# Altium PCB TEBF0808ASCII.PcbDoc (part 10 of 10)
Units mm, origin at the board's own origin, x right, y up, seen from the top; angles counter-clockwise.
Board outline 170 x 170 mm, 16 copper layers (L 01, L 02 G, L 03 S, L 04 G, L 05 S, L 06 G, L 07 P, L 08 P, L 09 P, L 10 P, L 11 G, L 12 S, L 13 G, L 14 S, L 15 G, L 16), stack 1.774 mm thick; 609 components, 869 nets, 3941 pads, 2358 vias.
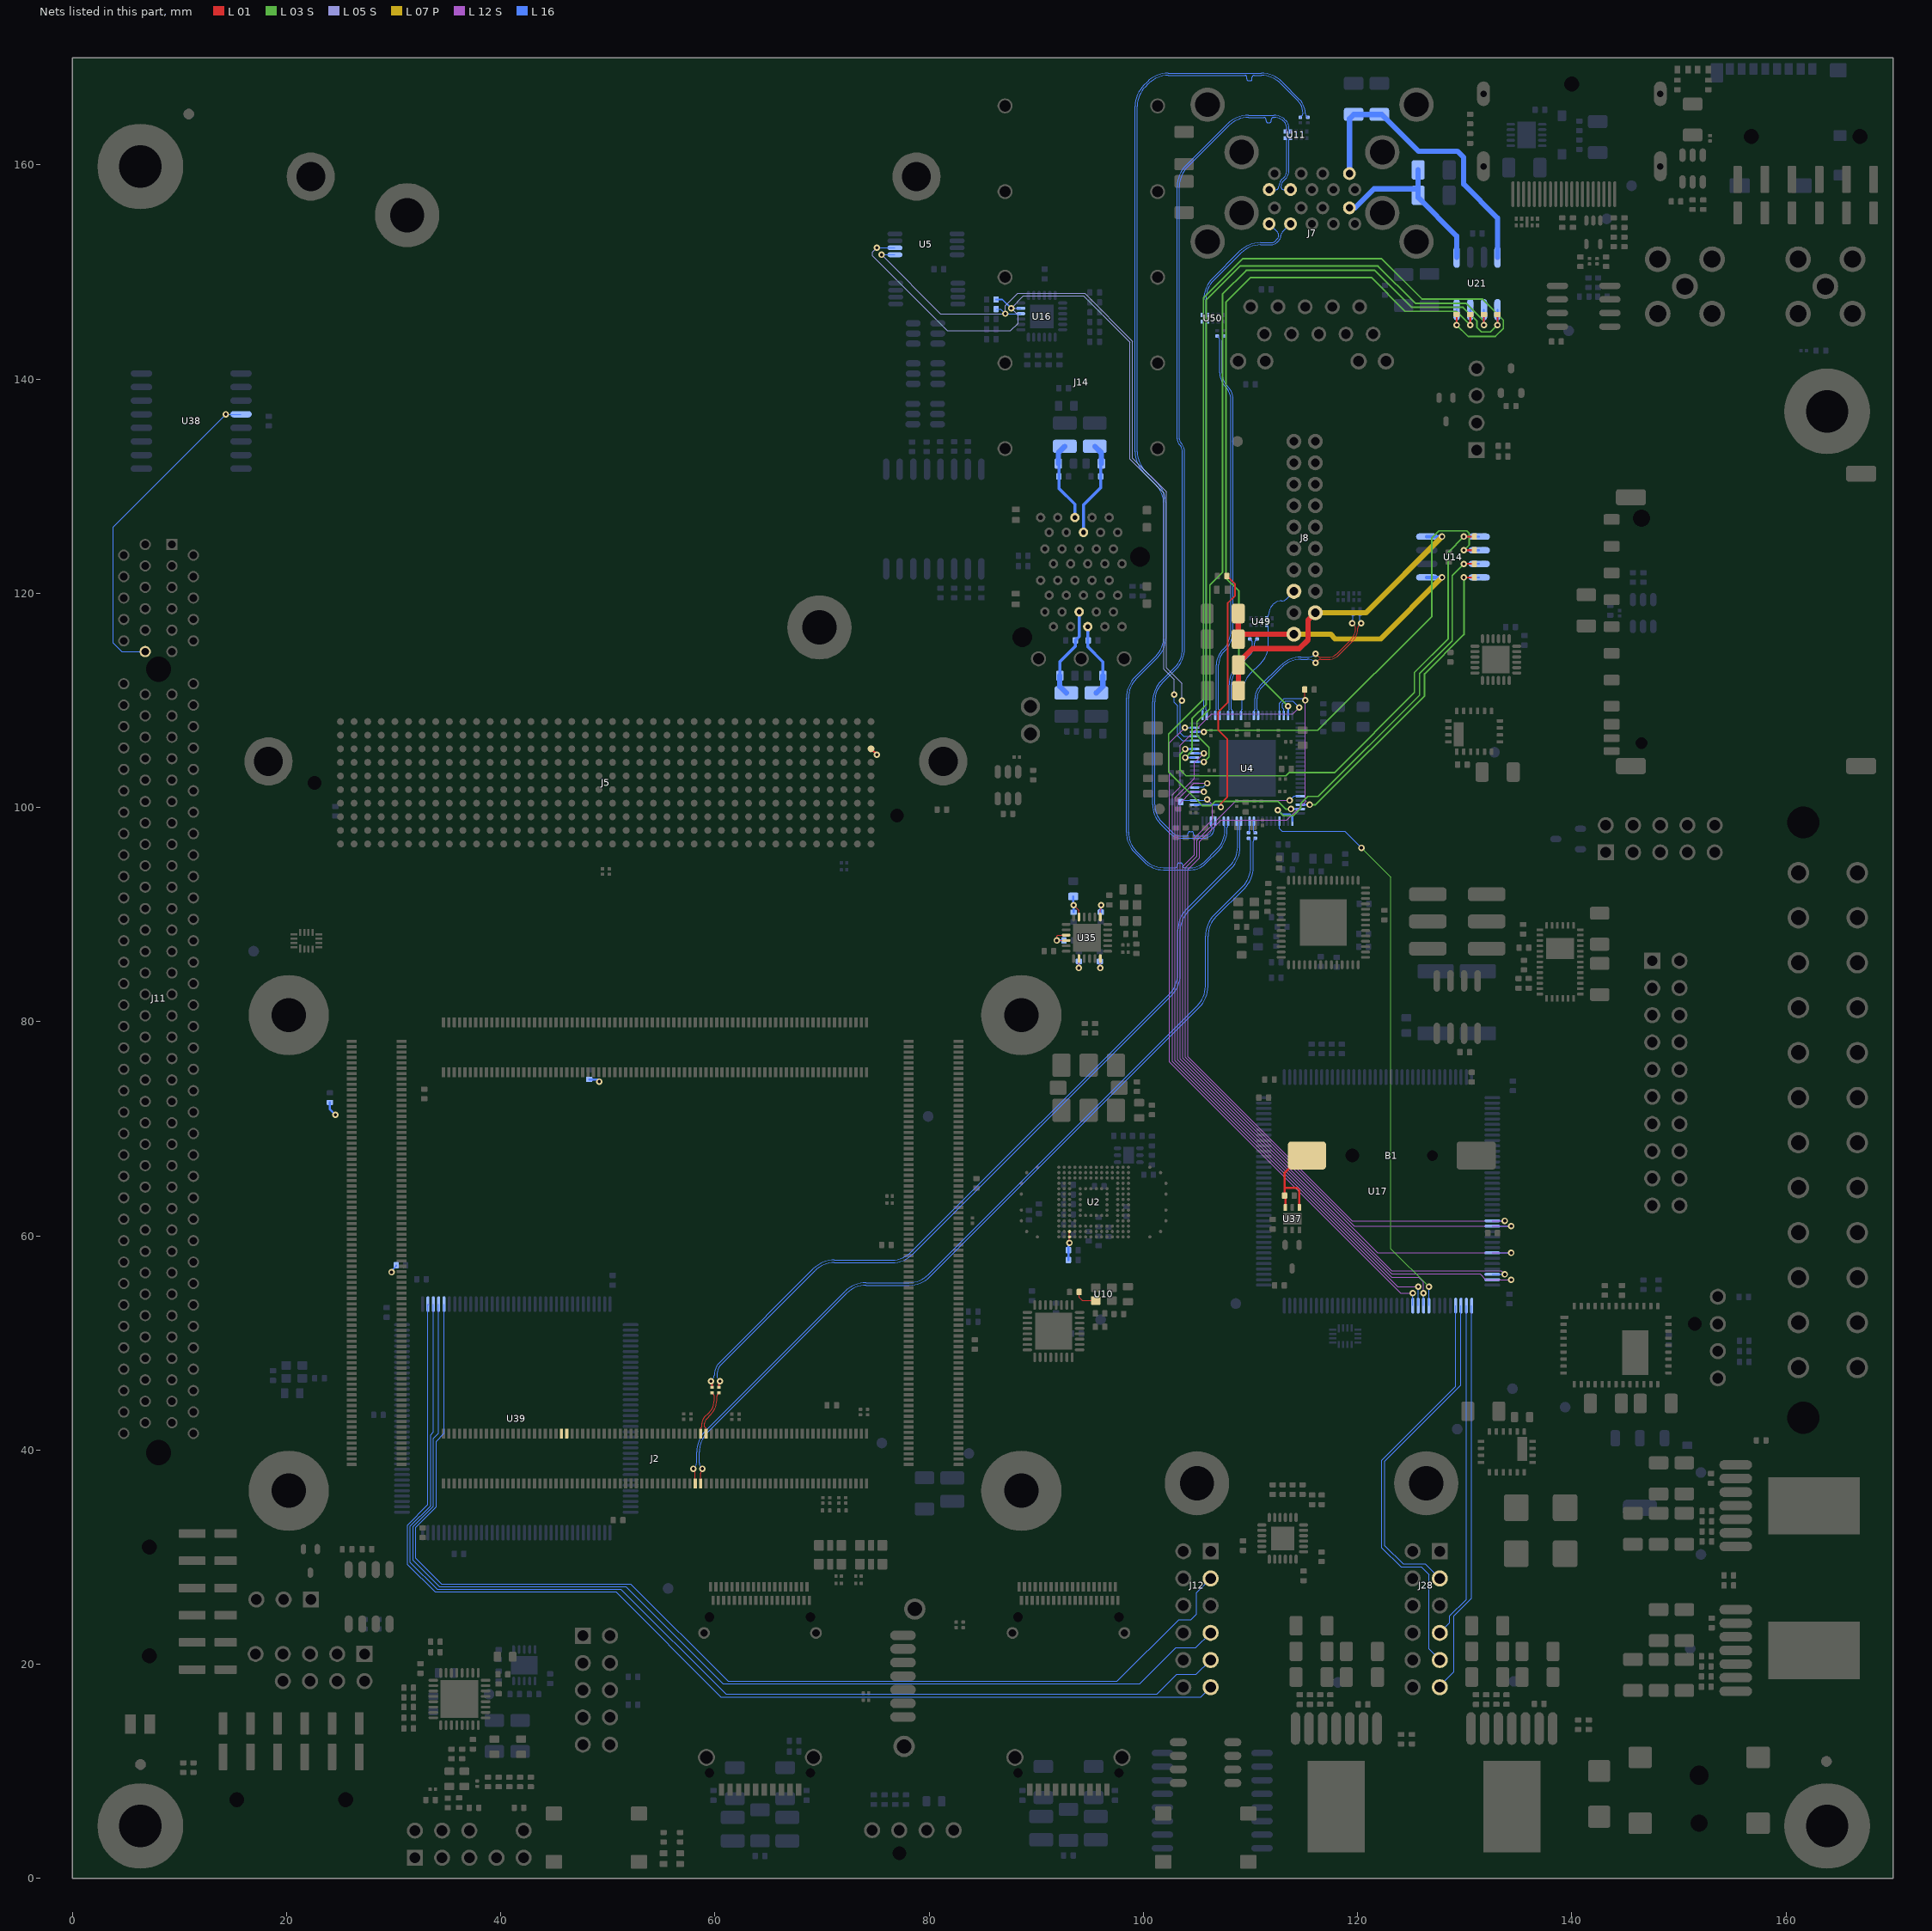
[diagram p20: the nets of this part, all layers, seen from the top]

## Via types
v1: diameter 0.6, hole 0.3, L 01 to L 16, 2358 vias

## Nets (pads, with @x,y where several pads share a name; then routed paths per layer and width w, separated by ;. In a path a pad name is that pad's centre, name@x,y a point inside that pad or via, vN(x,y) a via of type N, cw(c..) or ccw(c..) an arc to the next point about the centre after c; other vN are vias at no path point) (continued)
USB3_RXDN2_D_P: J8.3 U4.54 U49.2 U49.8 | length 13.7
  L 16 w0.1: U4.54@109.11,108.585 109.11,108.924 cw(c109.451,108.924) 109.21,109.165 109.21,110.624 cw(c111.851,110.624) 109.984,112.491 110.931,113.439 ccw(c109.135,115.235) 111.675,115.235 111.675,117.965 cw(c112.985,117.965) 112.059,118.891 112.118,118.951 cw(c112.9,118.17) 112.9,119.275 ccw(c112.9,119.879) 113.327,119.452 J8.3@114.05,120.175
USB3_RXDN3_D_N: J7.U14 U4.45 U50.1 U50.9 | length 50.3
  L 16 w0.1: U4.45@105.51,108.585 105.51,109.065 105.625,109.18 105.625,147.423 cw(c108.365,147.423) 106.428,149.36 108.99,151.922 cw(c110.927,149.985) 110.927,152.725 111.938,152.725 ccw(c111.938,153.237) 112.3,152.875 112.518,153.093 ccw(c112.235,153.375) 112.635,153.375 ccw(c112.133,153.375) 112.488,153.73 J7.U14@111.735,154.483
USB3_RXDN3_D_P: J7.U15 U4.46 U50.2 U50.8 | length 50.3
  L 16 w0.1: U4.46@105.91,108.585 105.91,109.065 105.825,109.15 105.825,147.423 cw(c108.365,147.423) 106.569,149.219 109.131,151.781 cw(c110.927,149.985) 110.927,152.525 111.938,152.525 ccw(c111.938,153.237) 112.441,152.734 112.659,152.951 ccw(c112.235,153.375) 112.835,153.375 cw(c113.336,153.375) 112.982,153.73 J7.U15@113.735,154.483
USB3_RXDN4_D_N: J7.U5 U4.20 U11.1 U11.9 | length 88.5
  L 16 w0.1: U4.20@106.31,98.715 106.31,98.376 ccw(c106.651,98.376) 106.41,98.135 106.41,98.022 cw(c105.778,98.022) 106.225,97.575 cw(c105.621,98.179) 105.621,97.325 104.925,97.325 104.85,97.325 cw(c104.85,97.5) 104.675,97.5 104.675,97.579 ccw(c104.5,97.579) 104.5,97.754 104.35,97.754 ccw(c104.35,97.579) 104.175,97.579 104.175,97.5 cw(c104,97.5) 104,97.325 103.925,97.325 103.591,97.325 cw(c103.591,98.691) 102.625,97.725 101.739,98.611 cw(c103.404,100.275) 101.05,100.275 101.05,109.865 cw(c103.59,109.865) 101.794,111.661 103.047,112.915 ccw(c101.11,114.852) 103.85,114.852 103.85,133.18 ccw(c102.655,133.18) 103.5,134.025 cw(c103.862,134.387) 103.35,134.387 103.35,157.973 cw(c105.89,157.973) 104.094,159.769 108.006,163.681 cw(c109.802,161.885) 109.802,164.425 111.175,164.425 111.245,164.425 cw(c111.245,164.225) 111.445,164.225 111.445,164.125 ccw(c111.645,164.125) 111.645,163.925 111.745,163.925 ccw(c111.745,164.125) 111.945,164.125 111.945,164.225 cw(c112.145,164.225) 112.145,164.425 112.195,164.425 cw(c112.195,163.145) 113.1,164.05 113.17,163.98 cw(c112.615,163.425) 113.4,163.425 113.4,159.52 cw(c112.405,159.52) 113.109,158.816 112.912,158.62 ccw(c113.582,157.95) 112.635,157.95 cw(c112.367,157.95) 112.367,157.683 J7.U5@111.735,157.683
USB3_RXDN4_D_P: J7.U6 U4.19 U11.2 U11.8 | length 88.5
  L 16 w0.1: U4.19@106.71,98.715 106.71,98.376 cw(c106.369,98.376) 106.61,98.135 106.61,98.022 cw(c105.778,98.022) 106.366,97.434 cw(c105.621,98.179) 105.621,97.125 103.925,97.125 103.591,97.125 cw(c103.591,98.691) 102.484,97.584 101.598,98.469 cw(c103.404,100.275) 100.85,100.275 100.85,109.865 cw(c103.59,109.865) 101.653,111.803 102.906,113.056 ccw(c101.11,114.852) 103.65,114.852 103.65,133.18 ccw(c102.655,133.18) 103.359,133.884 cw(c103.862,134.387) 103.15,134.387 103.15,157.973 cw(c105.89,157.973) 103.953,159.91 107.865,163.822 cw(c109.802,161.885) 109.802,164.625 111.175,164.625 112.195,164.625 cw(c112.195,163.145) 113.241,164.191 113.312,164.121 cw(c112.615,163.425) 113.6,163.425 113.6,159.52 cw(c112.405,159.52) 113.25,158.675 113.054,158.479 ccw(c113.582,157.95) 112.835,157.95 ccw(c113.102,157.95) 113.102,157.683 J7.U6@113.735,157.683
USB3_RXUP_N: C152.1 J2.64 | length 84.9
  L 01 w0.1: J2.64@58.655,36.868 58.655,37.828 cw(c59.253,37.828) v1(58.83,38.25)
  L 16 w0.1: v1(58.83,38.25) 58.699,38.382 cw(c59.117,38.8) 58.525,38.8 58.525,39.798 cw(c61.065,39.798) 59.269,41.594 72.316,54.641 cw(c74.112,52.845) 74.112,55.385 78.123,55.385 ccw(c78.123,58.165) 80.089,56.199 105.211,81.321 ccw(c103.245,83.287) 106.025,83.287 106.025,87.983 cw(c108.565,87.983) 106.769,89.78 109.435,92.446 ccw(c107.47,94.412) 110.25,94.412 110.25,96.825 cw(c110.484,96.825) 110.318,96.991 C152.1@110.45,97.123
USB3_RXUP_P: C155.1 J2.66 | length 84.9
  L 01 w0.1: v1(57.98,38.25) cw(c57.558,37.828) 58.155,37.828 J2.66@58.155,36.868
  L 16 w0.1: v1(57.98,38.25) 58.112,38.382 ccw(c57.694,38.8) 58.285,38.8 58.285,39.798 cw(c61.065,39.798) 59.1,41.764 72.146,54.811 cw(c74.112,52.845) 74.112,55.625 78.123,55.625 ccw(c78.123,58.165) 79.919,56.369 105.041,81.491 ccw(c103.245,83.287) 105.785,83.287 105.785,87.983 cw(c108.565,87.983) 106.599,89.949 109.266,92.616 ccw(c107.47,94.412) 110.01,94.412 110.01,96.825 ccw(c109.775,96.825) 109.941,96.991 C155.1@109.809,97.123
USB3_RXUPC_N: C152.2 U4.10 | length 1.1
  L 16 w0.1: U4.10@110.31,98.715 110.31,97.767 C152.2@110.45,97.627
USB3_RXUPC_P: C155.2 U4.11 | length 1.1
  L 16 w0.1: C155.2@109.809,97.627 109.91,97.728 U4.11@109.91,98.715
USB3_TXDN1_D_N: C10.1 U4.57 | length 15.9
  L 01 w0.1: v1(116.075,114.34) 116.288,114.127 ccw(c116.534,114.372) 116.534,114.025 117.255,114.025 ccw(c117.255,115.22) 118.1,114.375 119.366,115.641 ccw(c118.282,116.725) 119.815,116.725 ccw(c119.429,116.725) 119.702,116.998 v1(119.5,117.2)
  L 16 w0.1: U4.57@110.31,108.585 110.31,108.924 cw(c110.651,108.924) 110.41,109.165 110.41,110.175 cw(c112.083,110.175) 110.9,111.358 112.765,113.222 cw(c114.702,111.285) 114.702,114.025 115.315,114.025 ccw(c115.315,115.1) v1(116.075,114.34) ; v1(119.5,117.2) ccw(c119.329,117.371) 119.571,117.371 C10.1@119.571,118.05
USB3_TXDN1_D_P: C9.1 U4.58 | length 15.9
  L 01 w0.1: v1(116.075,113.51) 116.288,113.723 cw(c116.534,113.478) 116.534,113.825 117.255,113.825 ccw(c117.255,115.22) 118.241,114.234 119.508,115.5 ccw(c118.282,116.725) 120.015,116.725 cw(c120.401,116.725) 120.128,116.998 v1(120.33,117.2)
  L 16 w0.1: U4.58@110.71,108.585 110.71,108.924 ccw(c110.369,108.924) 110.61,109.165 110.61,110.175 cw(c112.083,110.175) 111.041,111.216 112.906,113.081 cw(c114.702,111.285) 114.702,113.825 115.315,113.825 cw(c115.315,112.75) v1(116.075,113.51) ; C9.1@120.221,118.05 120.221,117.463 ccw(c120.593,117.463) v1(120.33,117.2)
USB3_TXDN2_D_N: C7.1 U4.52 | length 8
  L 16 w0.1: U4.52@108.31,108.585 108.31,108.924 ccw(c107.969,108.924) 108.21,109.165 108.21,111.458 cw(c110.75,111.458) 108.954,113.254 109.895,114.195 ccw(c108.74,115.35) 110.374,115.35 cw(c110.7,115.35) 110.469,115.581 C7.1@110.611,115.723
USB3_TXDN2_D_P: C8.1 U4.51 | length 8
  L 16 w0.1: U4.51@107.91,108.585 107.91,108.924 cw(c108.251,108.924) 108.01,109.165 108.01,111.458 cw(c110.75,111.458) 108.813,113.395 109.754,114.337 ccw(c108.74,115.35) 110.174,115.35 ccw(c109.847,115.35) 110.078,115.581 ; C8.1@109.936,115.723 C8.1@110.078,115.581
USB3_TXDN3_D_N: C5.1 U4.48 | length 36.2
  L 16 w0.1: U4.48@106.71,108.585 106.71,108.924 cw(c107.051,108.924) 106.81,109.165 106.81,113.307 cw(c108.768,113.307) 107.384,114.691 107.431,114.739 ccw(c105.635,116.535) 108.175,116.535 108.175,138.053 ccw(c106.553,138.053) 107.7,139.2 cw(c109.074,140.574) 107.131,140.574 107.131,143.575 ccw(c106.666,143.575) 106.995,143.904 C5.1@106.881,144.018
USB3_TXDN3_D_P: C6.1 U4.49 | length 36.2
  L 16 w0.1: U4.49@107.11,108.585 107.11,108.924 ccw(c106.769,108.924) 107.01,109.165 107.01,113.307 cw(c108.768,113.307) 107.525,114.55 107.572,114.597 ccw(c105.635,116.535) 108.375,116.535 108.375,138.053 ccw(c106.553,138.053) 107.841,139.341 cw(c109.074,140.574) 107.331,140.574 107.331,143.575 cw(c107.796,143.575) 107.467,143.904 C6.1@107.581,144.018
USB3_TXDN4_D_N: C3.1 U4.17 | length 103.9
  L 16 w0.1: U4.17@107.51,98.715 107.51,98.376 ccw(c107.851,98.376) 107.61,98.135 107.61,97.85 cw(c105.16,97.85) 106.892,96.117 105.675,94.9 cw(c104.408,96.167) 104.408,94.375 104.158,94.375 103.833,94.375 cw(c103.833,94.55) 103.658,94.55 103.658,94.629 ccw(c103.483,94.629) 103.483,94.804 103.333,94.804 ccw(c103.333,94.629) 103.158,94.629 103.158,94.55 cw(c102.983,94.55) 102.983,94.375 102.7,94.375 101.85,94.375 cw(c101.85,96.729) 100.186,95.064 99.344,95.906 cw(c101.14,97.702) 98.6,97.702 98.6,110.223 cw(c101.14,110.223) 99.344,112.019 101.297,113.972 ccw(c99.36,115.91) 102.1,115.91 102.1,128.348 ccw(c99.36,128.348) 101.297,130.285 100.169,131.414 cw(c101.965,133.21) 99.425,133.21 99.425,165.473 cw(c101.965,165.473) 100.169,167.269 100.506,167.606 cw(c102.302,165.81) 102.302,168.35 109.4,168.35 109.475,168.35 cw(c109.475,168.175) 109.65,168.175 109.65,168.025 ccw(c109.825,168.025) 109.825,167.85 109.975,167.85 ccw(c109.975,168.025) 110.15,168.025 110.15,168.175 cw(c110.325,168.175) 110.325,168.35 110.4,168.35 110.998,168.35 cw(c110.998,165.81) 112.794,167.606 114.423,165.977 cw(c113.27,164.825) 114.9,164.825 cw(c114.549,164.825) 114.797,164.577 C3.1@114.65,164.43
USB3_TXDN4_D_P: C4.1 U4.16 | length 103.9
  L 16 w0.1: U4.16@107.91,98.715 107.91,98.376 cw(c107.569,98.376) 107.81,98.135 107.81,97.85 cw(c105.16,97.85) 107.034,95.976 105.816,94.759 cw(c104.408,96.167) 104.408,94.175 101.85,94.175 cw(c101.85,96.729) 100.044,94.923 99.203,95.765 cw(c101.14,97.702) 98.4,97.702 98.4,110.223 cw(c101.14,110.223) 99.203,112.16 101.156,114.114 ccw(c99.36,115.91) 101.9,115.91 101.9,128.348 ccw(c99.36,128.348) 101.156,130.144 100.028,131.272 cw(c101.965,133.21) 99.225,133.21 99.225,165.473 cw(c101.965,165.473) 100.028,167.41 100.365,167.747 cw(c102.302,165.81) 102.302,168.55 110.998,168.55 cw(c110.998,165.81) 112.935,167.747 114.564,166.119 cw(c113.27,164.825) 115.1,164.825 ccw(c115.451,164.825) 115.203,164.577 C4.1@115.35,164.43
USB3_TXUP_N: C150.1 J2.61 | length 4.3
  L 01 w0.1: J2.61@59.155,41.538 59.155,42.053 59.025,42.183 59.025,42.474 cw(c59.642,42.474) 59.206,42.91 59.619,43.323 ccw(c58.289,44.653) 60.17,44.653 60.17,45.011 cw(c60.488,45.011) C150.1@60.263,45.236 ; C150.1@60.263,45.236 C150.1@60.375,45.348
USB3_TXUP_P: C151.1 J2.63 | length 4.3
  L 01 w0.1: J2.63@58.655,41.538 58.655,42.053 58.785,42.183 58.785,42.474 cw(c59.642,42.474) 59.036,43.08 59.449,43.493 ccw(c58.289,44.653) 59.93,44.653 59.93,45.011 ccw(c59.612,45.011) 59.837,45.236 C151.1@59.725,45.348
USB3_TXUPC_N: C150.2 U4.13 | length 77.1
  L 01 w0.15: C150.2@60.375,45.852 60.375,46.184 cw(c60.716,46.184) v1(60.475,46.425)
  L 16 w0.1: v1(60.475,46.425) 60.343,46.557 cw(c60.762,46.975) 60.17,46.975 cw(c61.606,46.975) 60.591,47.991 69.356,56.756 cw(c71.152,54.96) 71.152,57.5 76.525,57.5 ccw(c76.525,60.28) 78.491,58.314 102.626,82.449 ccw(c100.66,84.415) 103.44,84.415 103.44,88.513 cw(c105.98,88.513) 104.184,90.309 108.216,94.341 ccw(c106.25,96.307) 109.03,96.307 109.03,98.635 U4.13@109.11,98.715
USB3_TXUPC_P: C151.2 U4.14 | length 77.1
  L 01 w0.15: v1(59.625,46.425) cw(c59.384,46.184) 59.725,46.184 C151.2@59.725,45.852
  L 16 w0.1: v1(59.625,46.425) 59.757,46.557 ccw(c59.339,46.975) 59.93,46.975 cw(c61.606,46.975) 60.421,48.16 69.186,56.926 cw(c71.152,54.96) 71.152,57.74 76.525,57.74 ccw(c76.525,60.28) 78.321,58.484 102.456,82.619 ccw(c100.66,84.415) 103.2,84.415 103.2,88.513 cw(c105.98,88.513) 104.014,90.479 108.046,94.51 ccw(c106.25,96.307) 108.79,96.307 108.79,98.635 U4.14@108.71,98.715
USB_CLK: R68.1 U10.3 | length 2.2
  L 01 w0.1: R68.1@93.995,54.75 93.995,54.255 94.3,53.95 U10.3@95.55,53.95
USBH_EN1: R106.2 U4.38 U14.1 | length 47.2
  L 01 w0.17: v1(129.92,125.28) R106.2@130.905,125.28
  L 03 S w0.15: v1(103.9,105.45) 103.425,104.975 103.425,103.5 103.975,102.95 113.3,102.95 113.6,103.25 117.825,103.25 125.3,110.725 125.3,112.6 128.45,115.75 128.45,123.81 v1(129.92,125.28)
  L 16 w0.15: v1(103.9,105.45) U4.38@104.775,105.45
  L 16 w0.17: v1(129.92,125.28) U14.1@131.35,125.28
USBH_EN2: R110.2 U4.86 U14.4 | length 30.8
  L 01 w0.17: v1(129.92,121.47) R110.2@130.905,121.47
  L 03 S w0.15: v1(115.52,100.25) 116.075,100.25 126.25,110.425 126.25,112.475 129.92,116.145 v1(129.92,121.47)
  L 16 w0.15: U4.86@114.645,100.25 v1(115.52,100.25)
  L 16 w0.17: v1(129.92,121.47) U14.4@131.35,121.47
USBH_EN3: R145.2 U4.87 U21.4 | length 99.8
  L 01 w0.17: v1(129.245,145.045) R145.2@129.245,146.03
  L 03 S w0.15: v1(113.77,99.85) 113.275,99.85 112.575,100.55 106.7,100.55 106.325,100.175 105.5,100.175 102.35,103.325 102.35,106.85 105.6,110.1 105.6,147.575 109.25,151.225 122.25,151.225 126,147.475 131.625,147.475 133.6,145.5 133.6,144.725 132.85,143.975 130.315,143.975 v1(129.245,145.045)
  L 16 w0.15: v1(113.77,99.85) U4.87@114.645,99.85
  L 16 w0.17: v1(129.245,145.045) U21.4@129.245,146.475
USBH_EN4: R111.2 U4.35 U21.1 | length 78.2
  L 01 w0.17: v1(133.055,145.045) R111.2@133.055,146.03
  L 03 S w0.15: v1(105.65,104.25) 106.125,104.725 106.125,105.6 105,106.725 105,108.025 106.2,109.225 106.2,120.75 107.4,121.95 107.4,147.954 109.596,150.15 121.6,150.15 125.05,146.7 129.85,146.7 131.15,145.4 131.15,144.8 131.55,144.4 132.41,144.4 v1(133.055,145.045)
  L 16 w0.15: U4.35@104.775,104.25 v1(105.65,104.25)
  L 16 w0.17: v1(133.055,145.045) U21.1@133.055,146.475
USBH_LED_G3: U4.64 U17.11 | length 78.9
  L 01 w0.1: v1(114.55,109.325) v1@114.575,109.35
  L 12 S w0.1: v1(114.55,109.325) 113.95,108.725 106.375,108.725 103.45,105.8 103.45,101.925 102.7,101.175 102.7,76.284 123.734,55.25 v1(125.65,55.25)
  L 16 w0.1: U4.64@113.11,108.585 113.11,109.19 113,109.3 113,109.7 113.25,109.95 113.925,109.95 v1(114.55,109.325) ; U17.11@125.65,53.48 v1(125.65,55.25)
USBH_LED_G4: U4.43 U17.12 | length 65.6
  L 01 w0.1: v1@103.85,107.475 v1(103.875,107.45)
  L 12 S w0.1: v1(103.875,107.45) 102.446,106.021 102.446,76.22 124.016,54.65 v1(125.15,54.65)
  L 16 w0.1: v1(103.875,107.45) U4.43@104.775,107.45 ; U17.12@125.15,53.48 v1(125.15,54.65)
USBH_LED_SS1: U4.4 U17.9 | length 54.4
  L 03 S w0.1: v1(120.35,96.225) 123.1,93.475 123.1,58.8 v1(126.65,55.25)
  L 16 w0.1: U4.4@112.71,98.715 112.71,98.015 112.95,97.775 118.8,97.775 v1(120.35,96.225) ; U17.9@126.65,53.48 v1(126.65,55.25)
USBH_LED_SS2: U4.84 U17.133 | length 70.8
  L 01 w0.1: v1@113.65,100.625 v1(113.65,100.65)
  L 12 S w0.1: v1(113.65,100.65) 108.7,100.65 105,96.95 105,95.45 103.925,94.375 103.925,76.657 119.682,60.9 v1(134.34,60.9)
  L 16 w0.1: v1(113.65,100.65) 114.05,101.05 U4.84@114.645,101.05 ; U17.133@132.57,60.9 v1(134.34,60.9)
USBH_LED_SS3: R1.2 U4.63 U17.132 | length 83.3
  L 01 w0.1: R1.2@115.055,111 115.055,110.045 v1(115.1,110)
  L 12 S w0.1: v1(115.1,110) 115.1,100.675 115.175,100.6 113.375,98.8 107.25,98.8 105.25,96.8 105.25,95.3 104.175,94.225 104.175,76.725 119.5,61.4 v1(133.74,61.4)
  L 16 w0.1: U4.63@112.71,108.585 112.71,109.735 113.15,110.175 114.925,110.175 v1(115.1,110) ; U17.132@132.57,61.4 v1(133.74,61.4)
USBH_LED_SS4: R203.2 U4.26 U17.138 | length 68
  L 12 S w0.1: v1(105.95,100.75) 106.45,100.25 106.45,98.85 104.75,97.15 104.75,95.575 103.675,94.5 103.675,76.589 121.864,58.4 v1(134.34,58.4)
  L 16 w0.1: R203.2@103.495,100.5 103.645,100.65 U4.26@104.775,100.65 105.85,100.65 v1(105.95,100.75) ; U17.138@132.57,58.4 v1(134.34,58.4)
USBH_MODE0: U4.28 U17.142 | length 67.2
  L 12 S w0.1: v1(105.65,101.45) 104.475,101.45 103.425,100.4 103.425,76.514 123.189,56.75 133.39,56.75 v1(133.74,56.4)
  L 16 w0.1: U17.142@132.57,56.4 v1(133.74,56.4)
  L 16 w0.15: U4.28@104.775,101.45 v1(105.65,101.45)
USBH_MODE1: U4.29 U17.143 | length 70.5
  L 12 S w0.1: v1(105.95,102.25) 104.7,102.25 103.2,100.75 103.2,76.42 123.17,56.45 131.425,56.45 131.975,55.9 v1(134.34,55.9)
  L 16 w0.1: U4.29@104.775,101.85 104.775,101.9 105.6,101.9 v1(105.95,102.25) ; U17.143@132.57,55.9 v1(134.34,55.9)
USBH_OC1: R3.2 U4.42 U14.2 | length 42
  L 01 w0.17: v1(129.92,124.01) R3.2@130.905,124.01
  L 03 S w0.15: v1(105.65,107.05) 105.8,107.2 116.275,107.2 126.925,117.85 126.925,125.175 127.575,125.825 130.175,125.825 130.425,125.575 130.425,124.515 v1(129.92,124.01)
  L 16 w0.15: U4.42@104.775,107.05 v1(105.65,107.05)
  L 16 w0.17: v1(129.92,124.01) U14.2@131.35,124.01
USBH_OC2: R64.2 U4.1 U14.3 | length 36.8
  L 01 w0.17: v1(129.92,122.74) R64.2@130.905,122.74
  L 03 S w0.15: v1(112.55,99.75) 113.075,99.225 114,99.225 114.675,99.9 114.675,100.35 115.35,101.025 116.325,101.025 125.775,110.475 125.775,112.5 128.825,115.55 128.825,121.645 v1(129.92,122.74)
  L 16 w0.15: v1(112.55,99.75) 112.925,99.375 113.675,99.375 113.91,99.14 U4.1@113.91,98.715
  L 16 w0.17: v1(129.92,122.74) U14.3@131.35,122.74
USBH_OC3: R70.2 U4.65 U21.3 | length 69
  L 01 w0.17: v1(130.515,145.045) R70.2@130.515,146.03
  L 03 S w0.15: v1(113.51,109.46) 108.9,114.07 108.9,120.225 107.7,121.425 107.7,147.15 110.025,149.475 121.275,149.475 124.425,146.325 129.235,146.325 v1(130.515,145.045)
  L 16 w0.15: U4.65@113.51,108.585 v1(113.51,109.46)
  L 16 w0.17: v1(130.515,145.045) U21.3@130.515,146.475
USBH_OC4: R69.2 U4.36 U21.2 | length 76.6
  L 01 w0.17: v1(131.785,145.045) R69.2@131.785,146.03
  L 03 S w0.15: v1(103.9,104.65) 104.525,105.275 104.525,108.275 105.875,109.625 105.875,147.4 109.025,150.55 121.9,150.55 125.375,147.075 130.1,147.075 131.785,145.39 v1(131.785,145.045)
  L 16 w0.15: v1(103.9,104.65) U4.36@104.775,104.65
  L 16 w0.17: v1(131.785,145.045) U21.2@131.785,146.475
USBH_RST: U4.37 U17.10 | length 64.7
  L 12 S w0.1: v1(105.65,105.05) 104.75,104.15 104.75,102.725 102.95,100.925 102.95,76.352 123.152,56.15 125.7,56.15 126.15,55.7 v1(126.15,54.65)
  L 16 w0.1: U17.10@126.15,53.48 v1(126.15,54.65)
  L 16 w0.15: U4.37@104.775,105.05 v1(105.65,105.05)
USBH_SCL: R71.1 U4.40 U5.6 U16.17 | length 77.4
  L 05 S w0.1: v1(75.1,152.25) 74.7,151.85 74.7,151.5 81.7,144.5 87.6,144.5 88.3,145.2 88.3,145.95 v1(87.65,146.6) 88.8,147.75 94.425,147.75 98.75,143.425 98.75,132.5 101.9,129.35 101.9,112.921 102.875,111.945 v1(102.875,110.525)
  L 16 w0.1: v1(75.1,152.25) U5.6@76.8,152.25 ; v1(87.65,146.6) U16.17@88.56,146.6 ; v1(102.875,110.525) 102.875,109.825 103.2,109.5 103.2,106.7 103.65,106.25 U4.40@104.775,106.25
  L 16 w0.15: R71.1@86.245,147.425 86.825,147.425 v1(87.65,146.6)
USBH_SDA: R76.1 U4.41 U5.5 U16.16 | length 72.6
  L 05 S w0.1: v1(75.55,151.6) 81.05,146.1 v1(87.1,146.1) 87.1,146.85 88.25,148 94.529,148 99,143.529 99,132.604 102.15,129.454 102.15,113.024 103.587,111.587 v1(103.587,109.975)
  L 16 w0.1: v1(75.55,151.6) U5.5@76.8,151.6 ; R76.1@86.245,146.525 86.675,146.525 v1(87.1,146.1) U16.16@88.56,146.1 ; v1(103.587,109.975) 103.425,109.813 103.425,106.975 103.75,106.65 U4.41@104.775,106.65
USBH_SUSP: R78.1 U4.25 | length 25.7
  L 01 w0.15: v1(107.225,100.025) 107.225,100.35 107.825,100.95 107.825,106.4 106.975,107.25 106.975,108.9 107.875,109.8 107.875,119.1 108.55,119.775 108.55,120.845 R78.1@107.795,121.6
  L 16 w0.15: U4.25@104.775,100.25 107,100.25 v1(107.225,100.025)
V_N: J2.115
V_P: J2.113
VBATT: B1.+ C160.1 U37.4 U37.6 | length 9.1
  L 01 w0.2: U37.6@113.25,62.65 113.25,63.675 C160.1@113.175,63.75 113.175,64.475 ; U37.4@114.55,62.65 114.55,64.25 114.325,64.475 113.175,64.475 ; B1.+@115.27,67.5 114.825,67.5 113.175,65.85 113.175,64.475
VBUS1: C40.1 C257.1 J8.19 U14.8 | length 29
  L 01 w0.5: C40.1@108.875,110.9 C257.1@108.875,113.3 108.875,113.525 110.175,114.825 114.55,114.825 115.375,115.65 115.375,117.5 J8.19@116.05,118.175
  L 07 P w0.5: J8.19@116.05,118.175 120.775,118.175 v1(127.88,125.28)
  L 16 w0.3: U14.8@126.45,125.28 v1(127.88,125.28)
VBUS2: C85.1 C258.1 J8.1 U14.5 | length 25.6
  L 01 w0.5: C85.1@108.85,118.1 C258.1@108.85,115.7 109.325,116.175 J8.1@114.05,116.175
  L 07 P w0.5: J8.1@114.05,116.175 117.475,116.175 117.925,115.725 122.135,115.725 v1(127.88,121.47)
  L 16 w0.3: U14.5@126.45,121.47 v1(127.88,121.47)
VBUS3: C83.1 C259.1 J7.U10 U21.5 | length 16.8
  L 16 w0.5: J7.U10@119.235,155.983 119.758,155.983 121.525,157.75 C83.1@125.65,157.75 ; C259.1@125.65,159.525 C83.1@125.65,157.75 ; U21.5@129.245,151.375 129.245,153.355 125.65,156.95 C83.1@125.65,157.15 C83.1@125.65,157.75
VBUS4: C84.1 C260.1 J7.U1 U21.8 | length 28.2
  L 16 w0.5: J7.U1@119.235,159.183 119.235,164.31 C260.1@119.625,164.7 C84.1@122.025,164.7 122.25,164.7 125.675,161.275 129.3,161.275 129.9,160.675 129.9,158.2 133.055,155.045 U21.8@133.055,151.375
VCCRA: C51.1 C52.1 J14.T15 L8.2 | length 8.6
  L 16 w0.3: C51.1@92.19,112.3 92.19,113.59 93.65,115.05 C52.1@93.65,115.6 94,115.95 J14.T15@94,118.26
  L 16 w0.5: C51.1@92.19,112.3 92.19,111.3 L8.2@92.8,110.69
VCCRB: C61.1 C62.1 J14.L15 L11.2 | length 9
  L 16 w0.3: J14.L15@94.4,125.68 94.4,128.25 96.01,129.86 C62.1@96.01,130.9 96.01,132.04 C61.1@96.07,132.1
  L 16 w0.5: L11.2@95.46,133.71 96.07,133.1 C61.1@96.07,132.1
VCCTA: C49.1 C50.1 J14.T16 L9.2 | length 7
  L 16 w0.3: J14.T16@94.8,116.88 94.8,115 96.21,113.59 C49.1@96.21,112.3
  L 16 w0.5: L9.2@95.6,110.69 96.21,111.3 C49.1@96.21,112.3
VCCTB: C59.1 C60.1 J14.L16 L12.2 | length 7.5
  L 16 w0.3: C59.1@92.05,132.1 92.11,132.04 C60.1@92.11,130.9 92.11,129.79 93.6,128.3 J14.L16@93.6,127.07
  L 16 w0.5: C59.1@92.05,132.1 92.05,133.1 L12.2@92.66,133.71
VDD_CLK: C75.1 C76.1 C183.1 C194.1 C195.1 L10.1 U35.7 U35.11 U35.15 U35.16 U35.20 U35.24 | length 10.5
  L 01 w0.1: U35.16@92.785,87.575 v1(91.9,87.575) 91.9,87.975 92,88.075 U35.15@92.785,88.075 ; v1(93.475,90.875) 93.975,90.375 U35.11@93.975,89.765 ; v1(93.975,85) U35.20@93.975,85.885 ; v1(95.975,85) U35.24@95.975,85.885 ; U35.7@95.975,89.765 95.975,90.45 96.05,90.525 v1(96.05,90.875)
  L 16 w0.2: v1(91.9,87.575) C75.1@92.585,87.575 ; L10.1@93.45,91.69 93.45,90.9 v1(93.475,90.875) C76.1@93.475,90.215 ; v1(93.975,85) C195.1@93.975,85.625 ; C183.1@95.925,85.615 95.925,85.05 v1(95.975,85) ; C194.1@96.025,90.225 96.025,90.85 v1(96.05,90.875)
VDDIM: C119.1 C120.1 U2.K1 U2.K2 | length 2.8
  L 01 w0.1: v1(93.1,59.35) U2.K1@93.1,59.9 U2.K2@93.1,60.4
  L 16 w0.2: C120.1@93,57.75 C119.1@93,58.65 93,59.25 v1(93.1,59.35) v1@93.2,59.25
VREF_A_M2C: J5.H1 R32.2 R160.2 R161.1 | length 4
  L 01 w0.2: J5.H1@74.566,105.475 v1(75.115,104.926)
  L 16 w0.15: v1(29.8,56.6) 29.8,56.75 30.235,57.185 R161.1@30.235,57.25
  L 16 w0.2: R32.2@24.05,72.455 24.05,71.8 v1(24.55,71.3) ; R160.2@48.25,74.605 48.995,74.605 v1(49.2,74.4)
WAKE: J11.B11 U38.4 | length 30.5
  L 01 w0.1: v1@14.3,136.69 v1(14.32,136.71)
  L 16 w0.1: J11.B11@6.8,114.55 4.6,114.55 3.8,115.35 3.8,126.19 v1(14.32,136.71) U38.4@15.75,136.71
XMOD1_A: J28.3 U17.3 | length 31.7
  L 16 w0.1: J28.3@127.67,28.01 126.3,29.38 124.245,29.38 122.55,31.075 122.55,38.95 129.65,46.05 U17.3@129.65,53.48
XMOD1_B: J28.7 U17.2 | length 31.6
  L 16 w0.1: J28.7@127.67,22.93 128.6,23.86 128.6,24.5 130.15,26.05 U17.2@130.15,53.48
XMOD1_E: J28.9 U17.4 | length 39.3
  L 16 w0.1: J28.9@127.67,20.39 126.65,21.41 126.65,28.35 125.925,29.075 124.05,29.075 122.25,30.875 122.25,39.025 129.15,45.925 U17.4@129.15,53.48
XMOD1_G: J28.11 U17.1 | length 36.9
  L 16 w0.1: J28.11@127.67,17.85 127.67,17.97 129,19.3 129,24.5 130.65,26.15 U17.1@130.65,53.48
XMOD2_A: J12.3 U39.5 | length 109
  L 16 w0.1: U39.5@34.7,53.62 34.7,41.55 33.975,40.825 33.975,34.725 32.05,32.8 32.05,29.9 34.45,27.5 52.121,27.5 61.221,18.4 97.55,18.4 103.3,24.15 104.45,24.15 104.96,24.66 104.96,26.7 J12.3@106.27,28.01
XMOD2_B: J12.7 U39.4 | length 106.1
  L 16 w0.1: U39.4@34.2,53.62 34.2,41.575 33.7,41.075 33.7,34.75 31.8,32.85 31.8,29.7 34.25,27.25 51.664,27.25 60.739,18.175 99.675,18.175 103.032,21.532 104.872,21.532 J12.7@106.27,22.93
XMOD2_E: J12.9 U39.3 | length 106.1
  L 16 w0.1: U39.3@33.7,53.62 33.7,41.675 33.45,41.425 33.45,34.8 31.55,32.9 31.55,29.5 34.05,27 51.207,27 61.007,17.2 101.275,17.2 103.125,19.05 104.93,19.05 J12.9@106.27,20.39
XMOD2_G: J12.11 U39.2 | length 105.7
  L 16 w0.1: U39.2@33.3,53.52 U39.2@33.2,53.62 33.2,34.9 31.3,33 31.3,29.3 33.85,26.75 50.75,26.75 60.55,16.95 105.37,16.95 J12.11@106.27,17.85
pads on no net: B1.H1 B1.H2 D3.4 D15.2 J1.91 J1.121 J2.4 J2.6 J2.19 J2.21 J2.22 J2.24 J2.52 J2.54 J2.73 J2.75 J2.76 J2.78 J2.99 J2.129 J2.130 J2.131 J2.132 J2.133 J2.134 J2.136 J3.18 J3.20 J3.84 J3.147 J3.148 J3.149 J3.150 J4.113 J4.115 J4.155 J4.156 J4.157 J4.158 J4.159 J4.160 J5.1 J5.2 J5.B40 J5.J39 J5.K1 J5.K40 J6.A8 J6.A9 J6.A10 J6.A11 J6.A12 J6.B8 J6.B9 J6.B10 J6.B11 J6.B12 J6.MH1 J6.MH2 J9.4 J11.A5 J11.A6 J11.A7 J11.A8 J11.A19 J11.A21 J11.A22 J11.A25 J11.A26 J11.A29 J11.A30 J11.A32 J11.A33 J11.A35 J11.A36 J11.A39 J11.A40 J11.A43 J11.A44 J11.A47 J11.A48 J11.A50 J11.A52 J11.A53 J11.A56 J11.A57 J11.A60 J11.A61 J11.A64 J11.A65 J11.A68 J11.A69 J11.A72 J11.A73 J11.A76 J11.A77 J11.A80 J11.A81 J11.B9 J11.B12 J11.B19 J11.B20 J11.B23 J11.B24 J11.B27 J11.B28 J11.B30 J11.B33 J11.B34 J11.B37 J11.B38 J11.B41 J11.B42 J11.B45 J11.B46 J11.B50 J11.B51 J11.B54 J11.B55 J11.B58 J11.B59 J11.B62 J11.B63 J11.B66 J11.B67 J11.B70 J11.B71 J11.B74 J11.B75 J11.B78 J11.B79 J11.B82 J11.H1 J11.H2 J13.4 J13.6 J13.7 J13.9 J13.10 J13.12 J13.H1 J14.H1 J14.H2 J15.9 J15.MH1 J15.MH2 J17.2 J17.4 J17.5 J17.6 J17.8 J17.9 J17.10 J20.1 J20.2 J20.4 J20.6 J20.12 J20.13 J20.14 J20.20 J20.21 J20.22 J20.23 J20.PEG1 J20.PEG2 J21.A8 J21.A9 J21.A10 J21.A11 J21.A12 J21.B8 J21.B9 J21.B10 J21.B11 J21.B12 J21.MH1 J21.MH2 J22.9 J22.MH1 J22.MH2 J23.2 J23.3 J24.1 J24.6 J24.7 J24.9 J24.10 J25.H1 J25.H2 J26.H1 J27.H1 J27.H2 J30.2 J30.14 J30.16 J30.17 J30.19 J35.H1 P1.1 P1.2 P1.7 P1.8 P1.H1 P1.H2 P2.H1 P2.H2 P3.1 P3.2 P3.7 P3.8 P3.H1 P3.H2 PM1.0 PM2.0 PM3.0 PM4.0 PM5.0 PM6.0 S4.2 S4.7 S/N.1 S/N.2 U2.A4 U2.A6 U2.A9 U2.A11 U2.AA1 U2.AA2 U2.AA7 U2.AA8 U2.AA9 U2.AA10 U2.AA11 U2.AA12 U2.AA13 U2.AA14 U2.AE1 U2.AE14 U2.AG2 U2.AG13 U2.AH4 U2.AH6 U2.AH9 U2.AH11 U2.B2 U2.B13 U2.D1 U2.D14 U2.H6 U2.H7 U2.H11 U2.H12 U2.H13 U2.H14 U2.J1 U2.J10 U2.J11 U2.J12 U2.J13 U2.J14 U2.K9 U2.K10 U2.K11 U2.K12 U2.K13 U2.K14 U2.L4 U2.L12 U2.L13 U2.L14 U2.M3 U2.M5 U2.M8 U2.M9 U2.M10 U2.M12 U2.M13 U2.M14 U2.N10 U2.N12 U2.N13 U2.N14 U2.P1 U2.P2 U2.P3 U2.P10 U2.P12 U2.P13 U2.P14 U2.R1 U2.R2 U2.R3 U2.R5 U2.R12 U2.R13 U2.R14 U2.T1 U2.T2 U2.T3 U2.T5 U2.T12 U2.T13 U2.T14 U2.U6 U2.U7 U2.U10 U2.U12 U2.U13 U2.U14 U2.V12 U2.V13 U2.V14 U2.W1 U2.W2 U2.W3 U2.W7 U2.W8 U2.W9 U2.W10 U2.W11 U2.W12 U2.W13 U2.W14 U2.Y3 U2.Y6 U2.Y7 U2.Y8 U2.Y9 U2.Y10 U2.Y11 U2.Y12 U2.Y13 U2.Y14 U3.16 U3.17 U3.21 U4.2 U4.3 U4.5 U4.6 U4.31 U4.85 U6.2 U8.1 U8.2 U8.3 U8.4 U8.5 U8.6 U8.7 U8.15 U8.16 U8.25 U8.26 U8.30 U8.31 U8.38 U8.39 U8.40 U8.42 U8.43 U8.44 U9.12 U9.15 U9.16 U9.17 U9.25 U12.1 U12.2 U12.4 U12.5 U12.29 U12.31 U12.32 U12.33 U15.25 U17.15 U17.17 U17.31 U17.63 U17.87 U17.89 U17.103 U17.129 U19.1 U19.2 U19.3 U19.4 U19.12 U19.22 U19.23 U19.24 U19.25 U19.29 U19.34 U19.35 U19.36 U19.37 U19.38 U20.4 U20.5 U20.6 U20.7 U23.2 U28.8 U28.9 U28.10 U28.11 U28.12 U28.13 U28.14 U28.16 U31.3 U32.4 U34.12 U34.13 U35.5 U35.8 U35.21 U37.2 U38.13 U39.15 U39.17 U39.31 U39.63 U39.87 U39.89 U39.103 U39.129 U43.8 U43.9 U43.10 U43.11 U43.12 U43.13 U43.14 U43.16 U44.13 U46.3 U47.5

## Polygon pours and split planes (outlines as drawn)
GND on L 02 G "GND" (solid, remove dead copper, pour order 187): 0,170 0,0 170,0 170,170
GND on L 04 G "GND" (solid, remove dead copper, pour order 189): -6.9,175.845 -6.9,1.755 1.597,-6.743 176.559,-6.743 176.995,-6.307 174.162,-3.475 174.162,177.588
GND on L 11 G "GND" (solid, remove dead copper, pour order 192): -3.868,173.966 -3.868,0.468 3.46,-6.86 177.948,-6.86 183.494,-1.314 176.958,5.222 176.958,177.927
GND on L 13 G "GND" (solid, remove dead copper, pour order 194): -5.611,175.589 -5.611,1.082 1.796,-6.325 176.521,-6.325 178.046,-7.85 175.867,-5.672 175.867,172.975
GND on L 06 G "GND" (solid, remove dead copper, pour order 191): -5.461,175.461 -5.1,-10.28 -5.461,-10.64 -4.56,-9.74 177.11,-9.74 177.11,164.548 175.461,175.461
1.2V on L 09 P "L09_1.2V_P203" (solid, remove dead copper, pour order 203): 106.425,108.9 104.825,107.3 104.825,99.65 105.675,98.8 130.275,98.8 134.425,102.95 134.425,104.375 129.9,108.9
GND on L 09 P "L09_GND_P209" (solid, remove dead copper, pour order 209): 0.2,169.575 0.2,56.15 6.55,54.95 143.9,54.95 145.45,54.95 151.3,60.8 152.625,62.125 169.725,62.125 169.725,169.225 170.075,169.575
VREF_A_M2C on L 09 P "L09_VREF_A_M2C_P206" (solid, remove dead copper, pour order 206): 23.175,72.15 23.175,56.775 23.8,56.15 24.1,55.85 32.4,55.85 39.475,55.85 59.125,75.5 70.1,75.5 75.95,81.35 75.95,106.3 75.95,106.425 75.275,107.1 71.2,107.1 70.65,106.55 70.6,106.5 70.6,101.625 70.6,92.842 64.958,87.2 50.925,87.2 38.15,87.2 23.15,72.2
AVDD18 on L 09 P "L09_AVDD18_P204" (solid, remove dead copper, pour order 204): 109.95,86.225 110.575,85.6 122.05,85.6 122.7,86.25 122.7,95.375 121.525,96.55 111.625,96.55 109.95,94.875
12V on L 09 P "L 09 P-No Net" (solid, remove dead copper, pour order 207): 169.55,0.5 169.55,57.875 154.325,57.875 141.85,45.4 141.85,30.975 139.75,28.875 135.175,28.875 129.175,22.875 110.775,22.875 102.05,14.15 55.2,14.15 50.65,9.6 31.7,9.6 24.625,9.6 15.9,18.325 15.9,33.75 22.55,40.4 22.55,75.05 25.35,77.85 25.35,94.275 27.65,96.575 31.975,96.575 32.7,97.3 32.7,100.275 32.375,100.6 25.3,100.6 24.5,101.4 24.5,125.825 23.475,126.85 0,126.85 0,0
5VSBIN on L 09 P "L09_5VSBIN_P205" (solid, remove dead copper, pour order 205): 169.525,61.706 169.525,59.875 168.35,58.7 153.6,58.7 140.925,46.025 140.925,30.725 139.85,29.65 132.675,29.65 131.975,30.35 131.975,44.325 150.125,62.475 168.756,62.475
3V3SB on L 09 P "L 09 P-No Net" (solid, remove dead copper, pour order 208): 113.675,9.5 25.589,9.5 16.789,18.3 16.789,32.786 22.3,38.298 22.3,53.975 23.7,55.375 75.75,55.375 107.5,87.125 148.55,87.125 149,86.675 149,62.05 130.9,43.95 130.9,26.725
5V on L 07 P "L 09 P-No Net" (solid, remove dead copper, pour order 198): 81.95,169.8 169.85,169.8 169.85,41.975 157.6,29.725 145.125,29.725 144.375,30.475 144.375,37.1 148,40.725 148,80.5 145.025,83.475 141.9,83.475 137.125,83.475 125.05,95.55 90.15,95.55 81.95,103.75
FMC_VADJ on L 07 P "L07_FMC_VADJ_P199" (solid, remove dead copper, pour order 199): 0,0 168.275,0 168.275,170 0,170
3.3V_MOD on L 07 P "L07_3.3V_MOD_P197" (solid, remove dead copper, pour order 197): 33.55,79.2 33.55,37.075 57.125,13.5 150.475,13.5 152.6,15.625 152.6,21.58 151.98,22.2 139.225,22.2 96.625,64.8 52.1,64.8 43.5,73.4 43.5,79.025 42.65,79.875 34.209,79.875
AVDD_CORE on L 08 P "L08_AVDD_CORE_P200" (solid, remove dead copper, pour order 200): 104.65,99.475 106.775,97.35 113,97.35 114.8,99.15 114.8,102.8 113.125,104.475 113.125,105.075 112.509,105.691 105.166,105.691 104.65,105.175
1.8V on L 08 P "L08_1.8V_P201" (solid, remove dead copper, pour order 201): 33.905,14.325 102.625,14.325 116.75,28.45 116.75,52.825 122.525,58.6 135.625,58.6 144.324,67.299 144.324,87.026 133.475,97.875 103.475,97.875 97.512,103.837 94.537,103.837 79.95,118.425 79.95,136.625 82.725,139.4 89.7,139.4 92.7,142.4 92.7,148.775 90.15,151.325 65.9,151.325 26.2,111.625 26.2,22.03
3.3V_PCI on L 08 P "L08_3.3V_PCI_P202" (solid, remove dead copper, pour order 202): -0.05,170.1 -0.05,0.65 0.3,0.3 170,0.3 170,169.911
VDD_CLK on L 10 P "L10_VDD_CLK_P210" (solid, remove dead copper, pour order 210): 93.6,92.325 90.975,89.7 90.975,86.475 93.325,84.125 96.3,84.125 97.725,85.55 97.725,90.875 96.275,92.325
3.3V_PER on L 10 P "L10_3.3V_PER_P212" (solid, remove dead copper, pour order 212): 0.1,0.35 0.25,0.5 0.25,169.75 169.6,169.75 169.8,169.55 169.75,169.5 169.75,0.2
GND on L 03 S "L03_GND_P188" (solid, remove dead copper, pour order 188): 0,170.15 0,0 169.85,0 169.8,0 169.8,169.85
GND on L 05 S "L05_GND_P190" (solid, remove dead copper, pour order 190): 0.1,170 0.1,-0.15 169.95,-0.15 169.9,-0.15 169.9,169.7
GND on L 12 S "L12_GND_P193" (solid, remove dead copper, pour order 193): 0,170.15 0,0 169.85,0 169.8,0 169.8,169.85
GND on L 14 S "L14_GND_P195" (solid, remove dead copper, pour order 195): 0,170.15 0,0 169.85,0 169.8,0 169.8,169.85
GND on L 01 "L01_GND_P186" (solid, remove dead copper, pour order 186): 0.1,170 0.1,0 170.1,0 170.1,170
GND on L 16 "GND" (solid, remove dead copper, pour order 213): 0.25,169.95 0.25,-0.05 170.25,-0.05 170.25,169.95
GND on L 15 G "GND" (solid, remove dead copper, pour order 196): 0,170 0,0 170,0 170,170

## Keep-outs
KeepOutLayer:
  the board outline again, w0.3

## Other copper
L 01:
  text "TEBF0808-04" at 18.754,142.027 h2 r270

## Silkscreen, mask and mechanical layers (free items; w line width, h text height)
Top Overlay:
  text "TEBF0808-04" at 157.1,137.2 h2 r90
  text "USB3.0" at 120.6,131.6 h1.52 r90
  text "CAN" at 137.2,98.3 h1.52 r90
  text "JTAG" at 155.1,86.8 h1.52 r90
  text "Holzweg 19A" at 138.65,58.175 h2 r90
  text "32257 Bünde" at 140.65,58.175 h2 r90
  text "Germany" at 142.65,58.175 h2 r90
  text "Trenz Electronic GmbH" at 136.65,58.145 h2 r90
  text "W" at 115.3,48.9 h10 r90
  text "FAN2" at 152.375,43.4 h1.52
  text "C" at 104.35,42.1 h10 r90
  text "XMOD1" at 101.6,26.7 h1.52 r90
  text "XMOD2" at 123,26.6 h1.52 r90
  text "FP" at 30.2,18.9 h1.52 r90
  text "FAN1" at 72.4,3.3 h1.52 r90
  text "HDA" at 30,2.5 h1.52 r90
Fab-Notes:
  circle w0.254: c31.26,155.3 r5.721
  circle w0.254: c69.76,116.8 r5.917
  lines w0.1: 35.85,176.575 65.45,176.575 ; 35.938,181.237 40.6,176.575 ; 35.963,179.463 38.85,176.575 ; 37.6,183.075 44.1,176.575 ; 39.35,183.075 45.85,176.575 ; 41.1,183.075 47.3,176.875 47.3,176.625 47.3,179.85 ; 42.35,176.575 35.85,183.075 65.45,183.075 ; 42.85,183.075 47.212,178.713 ; 44.125,183.025 47.3,179.85 ; 44.125,183.7 44.125,189 ; 45.975,188 44.325,188.7 ; 45.975,189.4 44.325,188.7 ; 52.35,176.625 52.35,179.85 ; 52.537,179.238 55.2,176.575 ; 53,179.8 66.8,179.8 ; 53.013,180.512 56.95,176.575 ; 53.6,188 55.25,188.7 ; 53.6,189.4 55.25,188.7 ; 53.987,181.287 58.7,176.575 ; 54.762,182.262 60.45,176.575 ; 55.525,183.025 52.35,179.85 ; 55.525,183.7 55.525,189 ; 55.7,183.075 62.2,176.575 ; 57.45,183.075 63.65,176.875 ; 59.2,183.075 63.562,178.713 ; 60.95,183.075 63.312,180.712 ; 62.7,183.075 63.237,182.537 ; 63.8,178.15 64.5,179.8 65.2,178.15 ; 63.8,184.725 64.5,183.075 65.2,184.725 ; 64.5,178.8 64.5,184.1 ; 44.325,188.7 55.25,188.7 ; 47.3,179.85 52.35,179.85
  lines w0.2: 31.2,161.025 45.175,175 ; 51.6,175 69.7,156.9 69.7,122.6
  text "5.6mm +/-0,1" at 41.1,191.4 h1.52
  text "Top" at 58.75,184.2 h1.52
  text "1.2mm +/-0,1" at 65.3,180.9 h1.52
  text "Bottom" at 59.025,174.475 h1.52
PCB-Outline:
  lines w0.01: 0,0 0,170 170,170 170,0 0,0
  lines w0.05: 73.385,158.675 73.385,157.25 ccw(c73.635,157.25) 73.635,157 75.4,157 75.4,154 73.636,154 ccw(c73.636,153.75) 73.386,153.75 73.386,120.3
TDEV-Notes-Top:
  lines w0.01: 15,0 15,170
  text "Area A" at 135.453,104.478 h2
  text "Area B" at 2.26,24.508 h2
Assembly-Top:
  circle w0.1: c6.345,159.845 r1.98
  circle w0.1: c6.345,4.905 r1.98
  circle w0.1: c163.825,4.905 r1.98
  circle w0.1: c163.83,136.98 r1.98
Assembly Bot:
  circle w0.1: c6.345,159.845 r1.98
  circle w0.1: c6.345,4.905 r1.98
  circle w0.1: c163.825,4.905 r1.98
  circle w0.1: c163.83,136.98 r1.98

## Text inside footprints (layer, text, board x,y; h text height)
D1: Assembly-Top "A" at 88.35,120.275 h0.6 r90; Assembly-Top "K" at 88.325,118.275 h0.6 r90
D4: Assembly-Top "K" at 151.15,168.6 h0.6; Assembly-Top "A" at 149.25,168.54 h0.6
D5: Assembly-Top "A" at 152.925,168.6 h0.6
D6: Assembly-Top "K" at 57.125,0.65 h0.7 r90; Assembly-Top "A" at 57,2.575 h0.7 r90
D7: Assembly-Top "A" at 55.5,2.575 h0.7 r90; Assembly-Top "K" at 55.55,0.7 h0.7 r90
D9: Assembly-Top "A" at 88.43,126.235 h0.6 r90; Assembly-Top "K" at 88.4,128.1 h0.6 r90
D17: Assembly-Top "A" at 106.1,120 h0.7; Assembly-Top "K" at 108.1,120 h0.7
J1: Assembly-Top "160" at 33.3,75.75 h0.6; Assembly-Top "159" at 33.3,78.375 h0.6; Assembly-Top "2" at 74,75.725 h0.6; Assembly-Top "1" at 74.15,78.45 h0.6
J2: Assembly-Top "160" at 33.375,37.55 h0.6; Assembly-Top "159" at 33.375,40 h0.6; Assembly-Top "2" at 73.75,37.275 h0.6; Assembly-Top "1" at 73.975,40.15 h0.6
J3: Assembly-Top "160" at 82,37.225 h0.6 r90; Assembly-Top "159" at 79.725,37.225 h0.6 r90; Assembly-Top "2" at 82.175,77.75 h0.6 r90; Assembly-Top "1" at 79.575,77.975 h0.6 r90
J4: Assembly-Top "160" at 30.1,37.3 h0.6 r90; Assembly-Top "159" at 27.6,37.3 h0.6 r90; Assembly-Top "2" at 30.2,77.875 h0.6 r90; Assembly-Top "1" at 27.6,78.1 h0.6 r90
J6: Assembly-Top "A1" at 59.45,26.3 h0.7; Assembly-Top "B1" at 59.45,25.25 h0.7; Assembly-Top "B19" at 67.3,25.2 h0.7; Assembly-Top "A19" at 67.3,26.25 h0.7
J8: Assembly-Top "11" at 117.6,133.8 h0.6 r90; Assembly-Top "10" at 113.1,133.7 h0.6 r90; Assembly-Top "19" at 117.6,117.7 h0.6 r90; Assembly-Top "1" at 113.1,116 h0.6 r90
J9: Assembly-Top "1" at 30.986,0.9 h0.6; Assembly-Top "2" at 30.9,4.9 h0.6; Assembly-Top "9" at 42.8,0.9 h0.6; Assembly-Top "10" at 40.4,4.9 h0.6
J10: Assembly-Top "1" at 28.1,21.4 h0.6; Assembly-Top "2" at 27.8,17.7 h0.6; Assembly-Top "9" at 16.55,22.025 h0.6 r180; Assembly-Top "8" at 16.55,18.275 h0.6 r180
J12: Assembly-Top "11" at 106.7,17.375 h0.6 r90; Assembly-Top "12" at 104.1,17.275 h0.6 r90; Assembly-Top "2" at 103.8,30.25 h0.6 r90; Assembly-Top "1" at 106.9,30.45 h0.6 r90
J13: Courtyard Top "Connector Edge" at 139.1,171.65 h0.5 r180; Courtyard Top "PCB Edge" at 139.05,170.6 h0.5 r180
J14: TDEV-Notes-Top "PCB_Edge" at 97.8,169.35 h1 r180; Fab-Notes "Press-fit holes." at 88.825,130.2 h0.7; Fab-Notes "Diameters are final" at 88.075,131.45 h0.7
J17: Assembly-Top "2" at 50.85,24.618 h0.6 r90; Assembly-Top "1" at 48.225,24.875 h0.6 r90; Assembly-Top "10" at 51.075,8.95 h0.6 r90; Assembly-Top "9" at 48.35,9.225 h0.6 r90
J20: Assembly-Top "1" at 166.9,95.4 h0.6 r90; Assembly-Top "13" at 161.4,95.1 h0.6 r90; Assembly-Top "12" at 166.9,45.4 h0.6 r90; Assembly-Top "24" at 161.4,45.4 h0.6 r90
J21: Assembly-Top "A1" at 88.25,26.3 h0.7; Assembly-Top "B1" at 88.25,25.25 h0.7; Assembly-Top "B19" at 96.1,25.2 h0.7; Assembly-Top "A19" at 96.1,26.25 h0.7
J23: Assembly-Top "4" at 131.3,142.6 h0.6 r90; Assembly-Top "1" at 131.3,131.5 h0.6 r90
J24: Assembly-Top "2" at 141,98 h0.6; Assembly-Top "1" at 141.1,95.5 h0.6; Assembly-Top "10" at 154.9,98 h0.6; Assembly-Top "9" at 155.1,95.5 h0.6
J26: Assembly-Top "1" at 82.285,2.505 h0.6
J28: Assembly-Top "11" at 128.475,17.4 h0.6 r90; Assembly-Top "12" at 125.425,17.25 h0.6 r90; Assembly-Top "2" at 125.625,30.25 h0.6 r90; Assembly-Top "1" at 128.225,30.35 h0.6 r90
J29: Assembly-Top "6" at 126.55,91.6 h0.6 r90; Assembly-Top "5" at 132.6,91.6 h0.6 r90; Assembly-Top "2" at 126.55,86.35 h0.6 r90; Assembly-Top "1" at 132.6,86.7 h0.6 r90
J30: Assembly-Top "2" at 150.4,88.1 h0.6 r90; Assembly-Top "1" at 147.775,88.225 h0.6 r90; Assembly-Top "20" at 150.725,59.025 h0.6 r90; Assembly-Top "19" at 147.85,59.1 h0.6 r90
J31: Assembly-Top "1" at 80.7,22.5 h0.6 r90; Assembly-Top "2" at 80.675,21.175 h0.6 r90; Assembly-Top "3" at 80.675,19.9 h0.6 r90; Assembly-Top "4" at 80.675,18.575 h0.6 r90; Assembly-Top "5" at 80.675,17.4 h0.6 r90; Assembly-Top "6" at 80.675,16.125 h0.6 r90; Assembly-Top "7" at 80.675,14.925 h0.6 r90
J34: Assembly-Top "3" at 15.3,25.7 h0.6; Assembly-Top "1" at 23.8,25.7 h0.6
J35: Assembly-Top "1" at 152.325,46.4 h0.6
P1: Assembly-Top "1" at 27.8,13.925 h0.6; Assembly-Top "7" at 27.5,10.55 h0.6; Assembly-Top "12" at 12.675,10.6 h0.6; Assembly-Top "6" at 13.325,14.5 h0.6 r180
P2: Assembly-Top "6" at 169.125,155.2 h0.6; Assembly-Top "12" at 168.725,158.2 h0.6; Assembly-Top "7" at 154.125,158.2 h0.6; Assembly-Top "1" at 154.212,155.2 h0.6
P3: Assembly-Top "6" at 14.625,33.15 h0.6 r90; Assembly-Top "12" at 11.625,32.75 h0.6 r90; Assembly-Top "7" at 11.625,18.3 h0.6 r90; Assembly-Top "1" at 14.65,18.475 h0.6 r90
S4: Assembly-Top "N" at 27.997,24.713 h0.6 r270; Assembly-Top "O" at 29.267,24.713 h0.6 r270; Assembly-Top "2" at 28.1,27.9 h0.6; Assembly-Top "1" at 29.5,27.9 h0.6; Assembly-Top "3" at 26.8,27.9 h0.6; Assembly-Top "4" at 25.5,27.9 h0.6
S5: Assembly-Top "N" at 107.387,11.107 h0.6; Assembly-Top "O" at 107.387,12.377 h0.6; Assembly-Top "2" at 103.577,11.107 h0.6; Assembly-Top "1" at 103.577,12.377 h0.6; Assembly-Top "3" at 103.577,9.857 h0.6; Assembly-Top "4" at 103.577,8.587 h0.6
Serial: Assembly-Top "SerialNr" at 6.9,145.3 h0.7 r90
SNAP1: TDEV-Notes-Top "J4" at 30.812,57.462 h1 r90; TDEV-Notes-Top "J2" at 52.305,38.378 h1 r90; TDEV-Notes-Top "J1" at 52.33,76.828 h1 r90; TDEV-Notes-Top "J3" at 83.205,57.503 h1 r90
SNAP2: Courtyard Top "ECUE (Copper)" at 87.05,-0.15 h0.7; Courtyard Top "ECUO (Optical)" at 87.05,0.75 h0.7; Courtyard Top "ECUE Test Cable" at 86.35,-14.6 h0.7; Courtyard Top "CAT-IN-ECUO-XX Tool" at 77.4,0 h0.7 r90; Courtyard Top "CAT-IN-ECUO-XX Tool" at 109.35,0 h0.7 r90; Courtyard Top "UEC5" at 91.7,19.35 h0.7; Courtyard Top "UCC8" at 91.7,14.35 h0.7; Courtyard Top "A1" at 87,26.9 h0.7; Courtyard Top "1" at 88.15,7.9 h0.7
SNAP3: Courtyard Top "ECUE (Copper)" at 58.25,-0.15 h0.7; Courtyard Top "ECUO (Optical)" at 58.25,0.75 h0.7; Courtyard Top "ECUE Test Cable" at 57.55,-14.6 h0.7; Courtyard Top "CAT-IN-ECUO-XX Tool" at 48.6,0 h0.7 r90; Courtyard Top "CAT-IN-ECUO-XX Tool" at 80.55,0 h0.7 r90; Courtyard Top "UEC5" at 62.9,19.35 h0.7; Courtyard Top "UCC8" at 62.9,14.35 h0.7; Courtyard Top "A1" at 58.2,26.9 h0.7; Courtyard Top "1" at 59.35,7.9 h0.7